# KiCad board SmallDSPMaxi.kicad_pcb (continued)
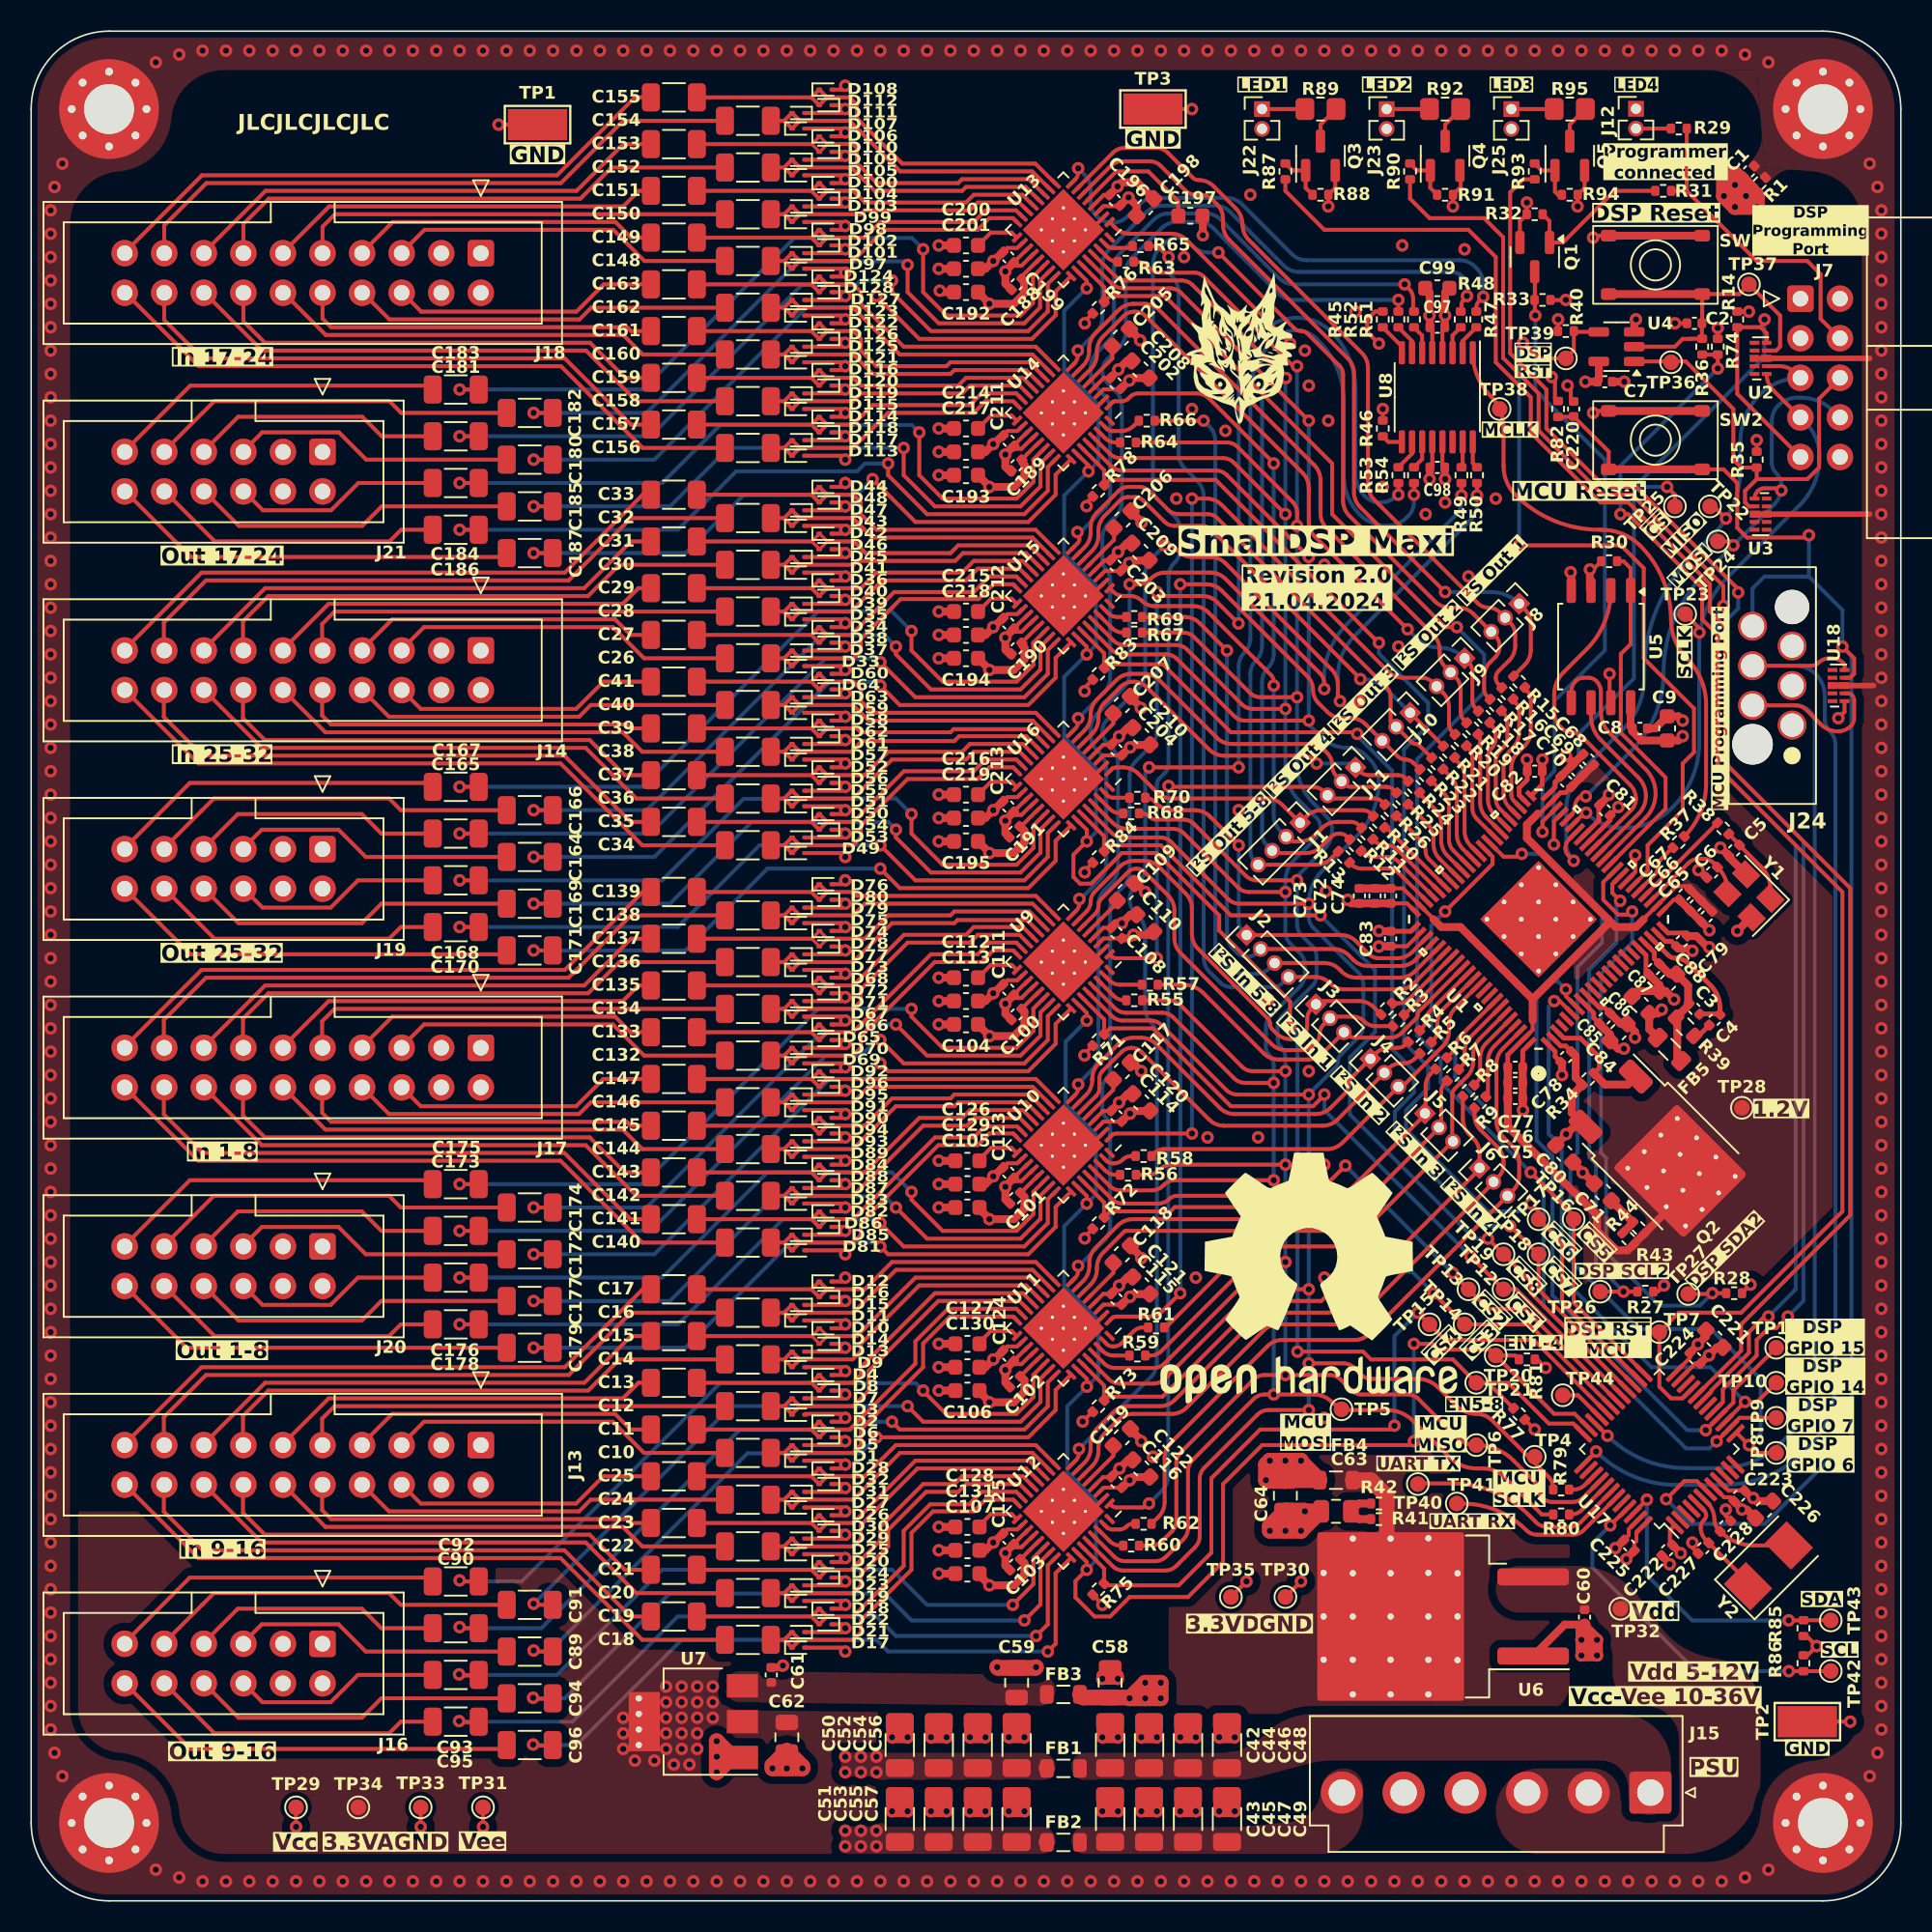
[diagram p0: board, top side]
## Routing (per net, layer and track width the routed paths; a pad name or vN(x,y) marks a point on that pad's centre or on a via; arc(x,y) is an arc through that point) (continued)
/Codecs 1-4/Out L4: length 45.4
  Top w0.25: 63.74,42 56,42 v1(54.5,43.5) ; C178.2 v1(27.5,37) ; 63.75,42 65.25,43.5 65.25,45.03 65.75,45.54
  Bottom w0.25: v1(27.5,37) 41.5,37 48.25,43.75 54.25,43.75 v1(54.5,43.5)
/Codecs 1-4/Out L5: length 47.1
  Top w0.25: C92.2 27.57,20.5 v1(27.5,20.57) ; U11.22 64.32,33.76 64.32,32.33 63.25,31.25 ; 63.24,31.25 58.72,31.25 57.25,32.72 v1(57.25,32.75)
  Bottom w0.25: 27.5,20.5 31.5,20.5 44.22,33.22 56.78,33.22 v1(57.25,32.75)
/Codecs 1-4/Out L6: length 47.6
  Top w0.25: v1(27.5,17.57) 27.57,17.5 C90.2 ; v1(55.25,30.75) 55.75,30.25 63.74,30.25 ; 63.75,30.25 65.25,31.75 65.25,33.28 65.75,33.79
  Bottom w0.25: v1(55.25,30.75) 53.12,30.75 52.6,30.22 45.47,30.22 32.75,17.5 27.5,17.5
/Codecs 1-4/Out L7: length 45.1
  Top w0.25: U12.22 64.32,22.01 64.32,20.32 v1(63,19) ; 28.69,14.47 27.53,14.47 v1(27.47,14.53)
  Bottom w0.25: 27.5,14.5 33.75,14.5 40.5,21.25 55.25,21.25 57.5,19 v1(63,19)
/Codecs 1-4/Out L8: length 47.1
  Top w0.25: v1(27.47,11.53) 27.53,11.47 28.69,11.47 ; v1(64.5,17) 65.25,17.75 65.25,21.53 65.75,22.04
  Bottom w0.25: 27.5,11.5 34.75,11.5 41.5,18.25 54.25,18.25 55.5,17 v1(64.5,17)
/Codecs 1-4/Out R1: length 42.3
  Top w0.25: C174.2 v1(32.25,44.5) ; v1(55.5,56.25) 57.5,54.25 63.5,54.25 64.78,55.52 64.78,57.01 65.4,57.64
  Bottom w0.25: v1(55.5,56.25) 53.26,56.25 52.76,55.75 50.75,55.75 39.5,44.5 v1(32.25,44.5)
/Codecs 1-4/Out R2: length 43.4
  Top w0.25: 66.75,57.28 65.75,56.28 65.75,55 64,53.25 ; 63.99,53.25 55,53.25 v1(54.5,53.75) ; C172.2 v1(32.25,41.5) ; 66.73,57.27 66.74,57.26
  Bottom w0.25: v1(32.25,41.5) 40,41.5 51.22,52.72 53.47,52.72 v1(54.5,53.75)
/Codecs 1-4/Out R3: length 40.6
  Top w0.25: v1(55.5,44.5) 57.5,42.5 63.5,42.5 64.77,43.77 64.78,45.26 65.4,45.89 ; C177.2 v1(32.25,38.5)
  Bottom w0.25: v1(32.25,38.5) 41,38.5 47.72,45.22 54.78,45.22 v1(55.5,44.5)
/Codecs 1-4/Out R4: length 41.2
  Top w0.25: 66.73,45.52 66.74,45.51 ; 64,41.5 65.75,43.25 65.75,44.53 66.75,45.53 ; C179.2 v1(32.25,35.5) ; 63.99,41.5 55,41.5 v1(54.5,42)
  Bottom w0.25: v1(54.5,42) 54.25,42.25 48.75,42.25 42,35.5 v1(32.25,35.5)
/Codecs 1-4/Out R5: length 42.3
  Top w0.25: C91.2 32.32,19 v1(32.25,19.07) ; 65.4,34.14 64.77,33.51 64.78,32.02 63.5,30.75 57.25,30.75 v1(56.25,31.75)
  Bottom w0.25: v1(56.25,31.75) 44.93,31.75 v1(32.25,19.07)
/Codecs 1-4/Out R6: length 43.9
  Top w0.25: 66.75,33.78 65.75,32.78 65.75,31.5 64,29.75 ; 66.73,33.77 66.74,33.76 ; C89.2 32.32,16 v1(32.25,16.07) ; v1(54.25,29.75) 63.99,29.75
  Bottom w0.25: v1(54.25,29.75) 53.22,28.72 45.97,28.72 33.25,16 32.25,16
/Codecs 1-4/Out R7: length 41.3
  Top w0.25: 33.44,12.97 32.28,12.97 v1(32.22,13.03) ; v1(63.75,18) 64.78,19.03 64.78,21.76 65.4,22.39
  Bottom w0.25: 32.25,13 34.25,13 40.97,19.72 54.78,19.72 56.5,18 v1(63.75,18)
/Codecs 1-4/Out R8: length 44
  Top w0.25: 33.44,9.97 32.28,9.97 v1(32.22,10.03) ; v1(65.25,16) 65.75,16.5 65.75,21.03 66.75,22.03 ; 66.73,22.02 66.74,22.01
  Bottom w0.25: 32.25,10 35,10 41.75,16.75 54.25,16.75 55,16 v1(65.25,16)
/Codecs 5-8/Analog Inputs1/In L1+: length 22.2
  Top w0.25: C148.1 39.36,105.25 37.36,107.25 25.24,107.25 23.78,105.79
/Codecs 5-8/Analog Inputs1/In L1-: length 19.8
  Top w0.25: 21.24,105.79 23.2,107.75 37.5,107.75 38.5,106.75 C149.1
/Codecs 5-8/Analog Inputs1/In L2+: length 34.2
  Top w0.25: 13.62,105.79 13.62,107.62 15.25,109.25 35.25,109.25 37.25,111.25 C152.1
/Codecs 5-8/Analog Inputs1/In L2-: length 31.6
  Top w0.25: C153.1 38,112.75 35,109.75 15.04,109.75 11.08,105.79
/Codecs 5-8/Analog Inputs1/In L3+: length 42.7
  Top w0.25: C156.1 39.25,93.25 34,98.5 10.75,98.5 6,103.25
/Codecs 5-8/Analog Inputs1/In L3-: length 35.8
  Top w0.25: C157.1 38.5,94.75 34.25,99 11,99 8.54,101.46 8.54,103.25
/Codecs 5-8/Analog Inputs1/In L4+: length 30
  Top w0.25: 16.16,103.25 18.91,100.5 38,100.5 39.25,99.25 C160.1
/Codecs 5-8/Analog Inputs1/In L4-: length 23.1
  Top w0.25: C161.1 38.5,100.75 38.25,101 19.25,101 18.7,101.55 18.7,103.25
/Codecs 5-8/Analog Inputs1/In R1+: length 27.8
  Top w0.25: 18.7,105.79 18.7,107.45 19.5,108.25 C150.1
/Codecs 5-8/Analog Inputs1/In R1-: length 25.3
  Top w0.25: 16.16,105.79 19.12,108.75 38,108.75 39,109.75 C151.1
/Codecs 5-8/Analog Inputs1/In R2+: length 40.5
  Top w0.25: C154.1 38,114.25 34,110.25 11.25,110.25 8.54,107.54 8.54,105.79
/Codecs 5-8/Analog Inputs1/In R2-: length 37.9
  Top w0.25: C155.1 38.75,115.75 33.75,110.75 10.96,110.75 6,105.79
/Codecs 5-8/Analog Inputs1/In R3+: length 36.3
  Top w0.25: 11.08,103.25 14.83,99.5 35.61,99.5 38.86,96.25 C158.1
/Codecs 5-8/Analog Inputs1/In R3-: length 29.5
  Top w0.25: 13.62,103.25 13.62,101.38 15,100 35.88,100 38.12,97.75 C159.1
/Codecs 5-8/Analog Inputs1/In R4+: length 24.3
  Top w0.25: C162.1 35.94,102.25 35.19,101.5 22.99,101.5 21.24,103.25
/Codecs 5-8/Analog Inputs1/In R4-: length 17.2
  Top w0.25: C163.1 36.75,103.75 35,102 25.03,102 23.78,103.25
/Codecs 5-8/Analog Inputs2/In L1+: length 22.2
  Top w0.25: 23.76,80.29 25.22,81.75 37.34,81.75 39.34,79.75 44.5,79.75
/Codecs 5-8/Analog Inputs2/In L1-: length 19.8
  Top w0.25: 39.75,81.25 38.47,81.25 37.47,82.25 23.17,82.25 21.22,80.29
/Codecs 5-8/Analog Inputs2/In L2+: length 34.2
  Top w0.25: 44.5,85.75 37.75,85.75 35.75,83.75 15.22,83.75 13.59,82.12 13.59,80.29
/Codecs 5-8/Analog Inputs2/In L2-: length 31.6
  Top w0.25: 39.75,87.25 38.5,87.25 35.5,84.25 15.01,84.25 11.05,80.29
/Codecs 5-8/Analog Inputs2/In L3+: length 42.7
  Top w0.25: 44.5,67.75 39.22,67.75 33.97,73 10.72,73 5.97,77.75
/Codecs 5-8/Analog Inputs2/In L3-: length 35.8
  Top w0.25: 39.75,69.25 38.47,69.25 34.22,73.5 11,73.5 8.52,75.98 8.52,77.75
/Codecs 5-8/Analog Inputs2/In L4+: length 30
  Top w0.25: 44.5,73.75 39.22,73.75 37.97,75 18.89,75 16.14,77.75
/Codecs 5-8/Analog Inputs2/In L4-: length 23.1
  Top w0.25: 18.67,77.75 18.67,76.08 19.25,75.5 38.22,75.5 38.47,75.25 39.75,75.25
/Codecs 5-8/Analog Inputs2/In R1+: length 27.8
  Top w0.25: 18.67,80.29 18.67,81.95 19.47,82.75 C28.1
/Codecs 5-8/Analog Inputs2/In R1-: length 25.3
  Top w0.25: 39.75,84.25 38.97,84.25 37.97,83.25 19.09,83.25 16.14,80.29
/Codecs 5-8/Analog Inputs2/In R2+: length 40.5
  Top w0.25: 8.52,80.29 8.52,82.04 11.22,84.75 34.5,84.75 38.5,88.75 44.5,88.75
/Codecs 5-8/Analog Inputs2/In R2-: length 37.9
  Top w0.25: 5.97,80.29 10.94,85.25 34.25,85.25 39.25,90.25 39.75,90.25
/Codecs 5-8/Analog Inputs2/In R3+: length 36.3
  Top w0.25: 11.06,77.75 14.81,74 35.59,74 38.84,70.75 44.5,70.75
/Codecs 5-8/Analog Inputs2/In R3-: length 29.5
  Top w0.25: 39.75,72.25 38.1,72.25 35.85,74.5 15,74.5 13.59,75.91 13.59,77.75
/Codecs 5-8/Analog Inputs2/In R4+: length 24.3
  Top w0.25: 44.5,76.75 35.92,76.75 35.17,76 22.97,76 21.22,77.75
/Codecs 5-8/Analog Inputs2/In R4-: length 17.2
  Top w0.25: 39.75,78.25 36.72,78.25 34.97,76.5 25,76.5 23.75,77.75
/Codecs 5-8/Analog Outputs1/Out L1: length 21.3
  Top w0.25: 25.53,97.25 10.21,97.25 6,93.04
/Codecs 5-8/Analog Outputs1/Out L2: length 16.1
  Top w0.25: 11.08,93.04 13.29,95.25 21.25,95.25 22.5,94 C181.1
/Codecs 5-8/Analog Outputs1/Out L3: length 13.4
  Top w0.25: 13.62,90.5 14.87,89.25 19.25,89.25 21,91 C184.1
/Codecs 5-8/Analog Outputs1/Out L4: length 18.9
  Top w0.25: C186.1 23.75,88 23,87.25 11.79,87.25 8.54,90.5
/Codecs 5-8/Analog Outputs1/Out R1: length 23.6
  Top w0.25: C182.1 23.75,95.5 23,96.25 11.75,96.25 11,95.5 11,95.5 8.54,93.04
/Codecs 5-8/Analog Outputs1/Out R2: length 18.1
  Top w0.25: C180.1 21.5,92.5 19.75,94.25 14.83,94.25 13.62,93.04
/Codecs 5-8/Analog Outputs1/Out R3: length 20.9
  Top w0.25: 11.08,90.5 13.33,88.25 21.25,88.25 22.5,89.5 C185.1
/Codecs 5-8/Analog Outputs1/Out R4: length 26
  Top w0.25: 6,90.5 10.25,86.25 30.28,86.25
/Codecs 5-8/Analog Outputs2/Out L1: length 21.3
  Top w0.25: 25.5,71.75 10.18,71.75 5.97,67.54
/Codecs 5-8/Analog Outputs2/Out L2: length 16.1
  Top w0.25: 25.75,68.5 22.47,68.5 21.22,69.75 13.26,69.75 11.06,67.54
/Codecs 5-8/Analog Outputs2/Out L3: length 13.4
  Top w0.25: 25.75,65.5 20.97,65.5 19.22,63.75 14.85,63.75 13.59,65
/Codecs 5-8/Analog Outputs2/Out L4: length 18.9
  Top w0.25: 25.75,62.5 23.72,62.5 22.97,61.75 11.77,61.75 8.52,65
/Codecs 5-8/Analog Outputs2/Out R1: length 23.6
  Top w0.25: 8.52,67.54 10.97,70 10.97,70 11.72,70.75 22.97,70.75 23.72,70 30.5,70
/Codecs 5-8/Analog Outputs2/Out R2: length 18.1
  Top w0.25: 30.5,67 21.47,67 19.72,68.75 14.8,68.75 13.6,67.54
/Codecs 5-8/Analog Outputs2/Out R3: length 20.9
  Top w0.25: 30.5,64 22.47,64 21.22,62.75 13.31,62.75 11.06,65
/Codecs 5-8/Analog Outputs2/Out R4: length 26
  Top w0.25: 30.25,60.75 10.23,60.75 5.97,65
/Codecs 5-8/In L1+: length 18.9
  Top w0.25: 63.26,107.74 63,108 61.5,108 60.75,107.25 54.75,107.25 52.75,105.25 49.33,105.25 ; 49.33,105.25 D101.2 48.33,105.25 ; 49.33,105.25 D97.1 48.33,105.25 ; 48.33,105.25 C148.2
/Codecs 5-8/In L1-: length 23.6
  Top w0.25: 51.08,106.75 53.5,106.75 54.5,107.75 60.5,107.75 61.25,108.5 63.21,108.5 63.62,108.09 ; 51.08,106.75 D102.2 50.08,106.75 ; 51.08,106.75 D98.1 50.08,106.75 ; 50.08,106.75 C149.2
/Codecs 5-8/In L2+: length 20.1
  Top w0.25: 48.33,111.25 D109.2 49.33,111.25 ; 48.33,111.25 D105.1 49.33,111.25 ; 48.33,111.25 C152.2 ; 49.33,111.25 52.64,111.25 54.14,109.75 59.75,109.75 60,110 63.83,110 64.68,109.15
/Codecs 5-8/In L2-: length 26.3
  Top w0.2: 50.11,112.75 50.61,113.25 51.11,112.75 50.61,112.25 50.11,112.75
  Top w0.25: 65.03,109.51 64.04,110.5 59.75,110.5 59.5,110.25 54.27,110.25 53,111.52 53,112.5 52.75,112.75 51.11,112.75 ; 50.11,112.75 C153.2
/Codecs 5-8/In L3+: length 19
  Top w0.25: 48.33,93.25 D113.1 49.33,93.25 ; 48.33,93.25 C156.2 ; 48.33,93.25 D117.2 49.33,93.25 ; 49.33,93.25 52.75,93.25 55,95.5 60.5,95.5 61.25,96.25 63.03,96.25 U14.16
/Codecs 5-8/In L3-: length 23.7
  Top w0.25: 51.08,94.75 D118.2 50.08,94.75 ; 51.08,94.75 D114.1 50.08,94.75 ; 51.08,94.75 52.75,94.75 54,96 60.25,96 61,96.75 63.23,96.75 U14.15 ; 50.08,94.75 42.72,94.75
/Codecs 5-8/In L4+: length 20
  Top w0.25: 48.33,99.25 D121.1 49.33,99.25 ; 48.33,99.25 C160.2 ; 48.33,99.25 D125.2 49.33,99.25 ; U14.12 63.85,98.25 59.25,98.25 59,98 54.01,98 52.76,99.25 49.33,99.25
/Codecs 5-8/In L4-: length 26
  Top w0.25: 51.08,100.75 D122.1 50.08,100.75 ; 51.08,100.75 52.76,100.75 53.25,100.26 53.25,99.5 54.25,98.5 58.75,98.5 59,98.75 64.06,98.75 U14.11 ; 51.08,100.75 D126.2 50.08,100.75 ; 50.08,100.75 42.72,100.75
/Codecs 5-8/In L5+: length 20.2
  Top w0.25: 48.33,79.75 C26.2 ; 48.33,79.75 D33.1 49.33,79.75 ; 48.33,79.75 D37.2 49.33,79.75 ; 49.33,79.75 52.76,79.75 53.25,80.24 53.25,81 55.8,83.55 60.8,83.55 61.75,84.5 63.02,84.5 63.28,84.24
/Codecs 5-8/In L5-: length 24.5
  Top w0.25: 51.08,81.25 52.64,81.25 55.39,84 60.5,84 61.5,85 63.23,85 63.63,84.59 ; 51.08,81.25 D34.1 50.08,81.25 ; 51.08,81.25 D38.2 50.08,81.25 ; 50.08,81.25 42.72,81.25
/Codecs 5-8/In L6+: length 19.7
  Top w0.25: 49.33,85.75 D45.2 48.33,85.75 ; 49.33,85.75 52.78,85.75 53.03,86 59.31,86 59.81,86.5 63.85,86.5 64.69,85.65 ; 49.33,85.75 D41.1 48.33,85.75 ; 48.33,85.75 C30.2
/Codecs 5-8/In L6-: length 25.1
  Top w0.2: 50.61,86.75 51.11,87.25 50.61,87.75 50.11,87.25 50.61,86.75
  Top w0.25: 51.11,87.25 52.81,87.25 53.56,86.5 59,86.5 59.5,87 64.06,87 65.05,86.01 ; 50.11,87.25 42.72,87.25
/Codecs 5-8/In L7+: length 20.2
  Top w0.25: 49.33,67.75 D49.1 48.33,67.75 ; 49.33,67.75 D53.2 48.33,67.75 ; 49.33,67.75 52.75,67.75 53.25,68.25 53.25,69 56.25,72 60.75,72 61.5,72.75 63.03,72.75 63.28,72.5 ; 48.33,67.75 C34.2
/Codecs 5-8/In L7-: length 24.6
  Top w0.25: 51.08,69.25 52.76,69.25 56.01,72.5 60.5,72.5 61.25,73.25 63.24,73.25 63.63,72.85 ; 51.08,69.25 D54.2 50.08,69.25 ; 51.08,69.25 D50.1 50.08,69.25 ; 50.08,69.25 42.72,69.25
/Codecs 5-8/In L8+: length 19.8
  Top w0.25: 48.33,73.75 C38.2 ; 48.33,73.75 D57.1 49.33,73.75 ; 48.33,73.75 D61.2 49.33,73.75 ; 64.69,73.91 63.86,74.75 59.56,74.75 59.25,74.44 53.31,74.44 52.62,73.75 49.33,73.75
/Codecs 5-8/In L8-: length 24.7
  Top w0.25: 50.08,75.25 42.72,75.25 ; 50.08,75.25 D58.1 51.08,75.25 ; 50.08,75.25 D62.2 51.08,75.25 ; 51.08,75.25 53,75.25 53.25,75 59,75 59.2,75.2 64.12,75.2 65.05,74.27
/Codecs 5-8/In R1+: length 18.9
  Top w0.25: 48.33,108.25 D103.2 49.33,108.25 ; 48.33,108.25 D99.1 49.33,108.25 ; 48.33,108.25 C150.2 ; 49.33,108.25 53.25,108.25 53.5,108.5 60.25,108.5 60.75,109 63.41,109 63.97,108.44
/Codecs 5-8/In R1-: length 24.2
  Top w0.25: 51.08,109.75 52.76,109.75 53.51,109 60,109 60.5,109.5 63.62,109.5 64.32,108.8 ; 51.08,109.75 D104.2 50.08,109.75 ; 51.08,109.75 D100.1 50.08,109.75 ; 50.08,109.75 C151.2
/Codecs 5-8/In R2+: length 21.6
  Top w0.25: 48.33,114.25 D111.2 49.33,114.25 ; 48.33,114.25 D107.1 49.33,114.25 ; 48.33,114.25 C154.2 ; 49.33,114.25 52.53,114.25 55.78,111 64.24,111 65.38,109.86
/Codecs 5-8/In R2-: length 27.6
  Top w0.25: 50.11,115.75 50.11,115.72 D112.2 51.08,115.75 ; 50.11,115.75 50.11,115.78 D108.1 51.08,115.75 ; 50.11,115.75 C155.2 ; 65.74,110.21 64.45,111.5 55.91,111.5 53,114.41 53,115.28 52.53,115.75 51.08,115.75
/Codecs 5-8/In R3+: length 19
  Top w0.25: 48.33,96.25 D119.2 49.33,96.25 ; 48.33,96.25 C158.2 ; 48.33,96.25 D115.1 49.33,96.25 ; 49.33,96.25 52.75,96.25 53.25,96.75 59.75,96.75 60.25,97.25 63.44,97.25 U14.14
/Codecs 5-8/In R3-: length 24.1
  Top w0.25: 51.08,97.75 D116.1 50.08,97.75 ; 51.08,97.75 52.75,97.75 53.25,97.25 59.5,97.25 60,97.75 63.65,97.75 U14.13 ; 51.08,97.75 D120.2 50.08,97.75 ; 50.08,97.75 42.72,97.75
/Codecs 5-8/In R4+: length 21.5
  Top w0.25: 48.33,102.25 D123.1 49.33,102.25 ; 48.33,102.25 C162.2 ; 48.33,102.25 D127.2 49.33,102.25 ; 49.33,102.25 52.75,102.25 55.75,99.25 64.27,99.25 U14.10
/Codecs 5-8/In R4-: length 27.5
  Top w0.25: 51.08,103.75 D124.1 50.08,103.75 ; 51.08,103.75 52.76,103.75 53.25,103.26 53.25,102.5 56,99.75 64.47,99.75 U14.9 ; 51.08,103.75 D128.2 50.08,103.75 ; 50.08,103.75 42.72,103.75
/Codecs 5-8/In R5+: length 19.7
  Top w0.25: 63.99,84.95 63.43,85.5 60.75,85.5 60,84.75 54.62,84.75 52.62,82.75 49.33,82.75 ; 49.33,82.75 D39.2 48.33,82.75 ; 49.33,82.75 D35.1 48.33,82.75 ; 48.33,82.75 C28.2
/Codecs 5-8/In R5-: length 24.5
  Top w0.25: 50.08,84.25 D36.1 51.08,84.25 ; 50.08,84.25 42.72,84.25 ; 50.08,84.25 D40.2 51.08,84.25 ; 64.34,85.3 63.64,86 60.5,86 59.75,85.25 54.25,85.25 53.25,84.25 51.08,84.25
/Codecs 5-8/In R6+: length 20.7
  Top w0.25: 48.33,88.75 D47.2 49.33,88.75 ; 48.33,88.75 C32.2 ; 48.33,88.75 D43.1 49.33,88.75 ; 65.4,86.36 64.26,87.5 54,87.5 52.75,88.75 49.33,88.75
/Codecs 5-8/In R6-: length 26.8
  Top w0.25: 65.75,86.71 64.47,88 54.25,88 53.25,89 53.25,89.75 52.75,90.25 51.08,90.25 ; 51.08,90.25 D44.1 50.11,90.28 50.11,90.25 ; 51.08,90.25 D48.2 50.11,90.22 50.11,90.25 ; 50.11,90.25 42.72,90.25
/Codecs 5-8/In R7+: length 19.8
  Top w0.25: 48.33,70.75 D55.2 49.33,70.75 ; 48.33,70.75 C36.2 ; 48.33,70.75 D51.1 49.33,70.75 ; 49.33,70.75 52.75,70.75 55.25,73.25 60,73.25 60.5,73.75 63.44,73.75 63.99,73.21
/Codecs 5-8/In R7-: length 24.6
  Top w0.25: 51.08,72.25 D56.2 50.08,72.25 ; 51.08,72.25 D52.1 50.08,72.25 ; 51.08,72.25 53.5,72.25 55,73.75 59.75,73.75 60.25,74.25 63.65,74.25 64.34,73.56 ; 50.08,72.25 C37.2
/Codecs 5-8/In R8+: length 20.6
  Top w0.25: 48.33,76.75 D59.1 49.33,76.75 ; 48.33,76.75 C40.2 ; 48.33,76.75 D63.2 49.33,76.75 ; 49.33,76.75 52.75,76.75 53.75,75.75 64.27,75.75 65.4,74.62
/Codecs 5-8/In R8-: length 26.7
  Top w0.25: 50.08,78.25 D64.2 51.08,78.25 ; 50.08,78.25 42.72,78.25 ; 50.08,78.25 D60.1 51.08,78.25 ; 51.08,78.25 52.76,78.25 53.25,77.76 53.25,77 54,76.25 64.48,76.25 65.75,74.97
/Codecs 5-8/Out L1: length 48.8
  Top w0.25: U13.22 64.29,104.23 64.29,102.56 63.49,101.75 58.75,101.75 57.25,103.25 v1(57.25,106) ; C183.2 v1(27.5,97)
  Bottom w0.25: v1(57.25,106) 56.53,106.72 48.97,106.72 39.25,97 v1(27.5,97)
/Codecs 5-8/Out L2: length 47.9
  Top w0.25: C181.2 v1(27.5,94) ; v1(55.25,104) 55.25,103.25 57.75,100.75 63.99,100.75 65.25,102.01 65.25,103.79 65.74,104.27
  Bottom w0.25: v1(55.25,104) 53.25,104 52.97,103.72 49.47,103.72 39.75,94 v1(27.5,94)
/Codecs 5-8/Out L3: length 46.1
  Top w0.25: C184.2 v1(27.5,91) ; 63.25,90 64.32,91.08 64.32,92.42 64.32,92.42 64.32,92.51 U14.22 ; 63.24,90 58.5,90 57,91.5 v1(57,94.25)
  Bottom w0.25: v1(57,94.25) 56.53,94.72 44.22,94.72 40.5,91 v1(27.5,91)
/Codecs 5-8/Out L4: length 45.4
  Top w0.25: C186.2 v1(27.5,88) ; U14.24 65.25,92.03 65.25,90.5 63.75,89 ; v1(55,92.25) 55,91.5 57.5,89 63.74,89
  Bottom w0.25: v1(27.5,88) 41.5,88 45.25,91.75 53.01,91.75 53.51,92.25 v1(55,92.25)
/Codecs 5-8/Out L5: length 48.2
  Top w0.25: C167.2 v1(27.5,71.5) ; v1(56.5,81.5) 56.5,80.25 58.5,78.25 63.24,78.25 ; 65.05,81.48 64.32,80.75 64.32,80.67 64.32,80.67 64.32,79.33 63.25,78.25
  Bottom w0.25: v1(56.5,81.5) 55.22,82.78 50.53,82.78 39.25,71.5 v1(27.5,71.5)
/Codecs 5-8/Out L6: length 47.5
  Top w0.25: 63.75,77.25 65.25,78.75 65.25,80.27 65.75,80.78 ; v1(54.5,79.5) 56.75,77.25 63.74,77.25 ; C165.2 v1(27.5,68.5)
  Bottom w0.25: v1(54.5,79.5) 54.28,79.72 50.97,79.72 39.75,68.5 v1(27.5,68.5)
/Codecs 5-8/Out L7: length 45.6
  Top w0.25: v1(56.5,69.75) 56.5,68.5 58.5,66.5 63.24,66.5 ; U16.22 64.32,69.01 64.32,67.58 63.25,66.5 ; C168.2 v1(27.5,65.5)
  Bottom w0.25: v1(27.5,65.5) 40.5,65.5 45.72,70.72 52.97,70.72 53,70.75 55.5,70.75 v1(56.5,69.75)
/Codecs 5-8/Out L8: length 44.9
  Top w0.25: 63.74,65.5 56.75,65.5 v1(54.5,67.75) ; 63.75,65.5 65.25,67 65.25,68.53 65.75,69.04 ; C170.2 v1(27.5,62.5)
  Bottom w0.25: v1(27.5,62.5) 41.5,62.5 46.75,67.75 v1(54.5,67.75)
/Codecs 5-8/Out R1: length 43.5
  Top w0.25: v1(56.25,105) 56.25,103.25 58.25,101.25 63.75,101.25 ; 65.38,104.63 64.75,103.99 64.75,102.26 63.74,101.25 ; C182.2 v1(32.25,95.5)
  Bottom w0.25: v1(56.25,105) 56.03,105.22 49.22,105.22 39.5,95.5 v1(32.25,95.5)
/Codecs 5-8/Out R2: length 43.8
  Top w0.25: C180.2 v1(32.25,92.5) ; 66.73,104.27 65.75,103.29 65.75,101.76 64.24,100.25 57,100.25 v1(54.25,103)
  Bottom w0.25: v1(54.25,103) 53.53,102.28 49.78,102.28 40,92.5 v1(32.25,92.5)
/Codecs 5-8/Out R3: length 40.8
  Top w0.25: v1(56,93.25) 56,91.5 58,89.5 63.5,89.5 64.78,90.78 64.78,92.26 U14.23 ; C185.2 v1(32.25,89.5)
  Bottom w0.25: v1(32.25,89.5) 41,89.5 44.75,93.25 v1(56,93.25)
/Codecs 5-8/Out R4: length 41.2
  Top w0.25: 63.99,88.5 56.75,88.5 v1(54,91.25) ; 64,88.5 65.75,90.25 65.75,91.54 U14.25 ; C187.2 v1(32.25,86.5)
  Bottom w0.25: v1(32.25,86.5) 42,86.5 45.72,90.22 52.97,90.22 v1(54,91.25)
/Codecs 5-8/Out R5: length 43
  Top w0.25: 65.4,81.13 64.78,80.5 64.78,79.03 63.5,77.75 57.75,77.75 55.5,80 v1(55.5,80.5) ; C166.2 v1(32.25,70)
  Bottom w0.25: v1(32.25,70) 39.5,70 50.72,81.22 54.78,81.22 v1(55.5,80.5)
/Codecs 5-8/Out R6: length 43.4
  Top w0.25: 64,76.75 65.75,78.5 65.75,79.77 66.75,80.77 ; 63.99,76.75 55.75,76.75 v1(54.5,78) ; 66.73,80.77 66.74,80.76 ; C164.2 v1(32.25,67)
  Bottom w0.25: v1(54.5,78) 54.28,78.22 51.22,78.22 40,67 v1(32.25,67)
/Codecs 5-8/Out R7: length 40.4
  Top w0.25: v1(55.5,68.75) 55.5,68.25 57.75,66 63.5,66 64.77,67.27 64.77,68.76 65.4,69.39 ; C169.2 v1(32.25,64)
  Bottom w0.25: v1(32.25,64) 41,64 46.22,69.22 55.03,69.22 v1(55.5,68.75)
/Codecs 5-8/Out R8: length 40.8
  Top w0.25: C171.2 v1(32.25,61) ; 63.99,65 55.75,65 v1(54.5,66.25) ; 64,65 65.75,66.75 65.75,68.03 66.75,69.03 ; 66.73,69.02 66.74,69.01
  Bottom w0.25: v1(32.25,61) 42,61 47.25,66.25 v1(54.5,66.25)
/DSP BCLK In 1: length 29.4
  Top w0.25: 82.66,57.75 85.22,57.75 arc(85.74,57.65) 86.18,57.35 R2.1 ; U9.7 67.74,63.51 arc(67.93,63.8) 68,64.14 arc(68.07,64.48) 68.26,64.77 69.84,66.35 arc(70.28,66.65) 70.8,66.75 71.44,66.75 arc(71.96,66.65) 72.4,66.35 74.1,64.65 arc(74.4,64.21) 74.5,63.69 74.5,62.06 arc(74.6,61.54) 74.9,61.1 79.37,56.63 arc(79.48,56.47) 79.51,56.29 arc(79.55,56.1) 79.65,55.95 79.91,55.69 arc(80.34,55.4) 80.85,55.3 81.05,55.3 arc(81.37,55.36) 81.65,55.55 arc(81.84,55.83) 81.9,56.15 81.9,56.59 arc(81.97,56.96) 82.18,57.27 J3.1
/DSP BCLK In 2: length 27.6
  Top w0.25: R4.1 88.19,54.94 arc(87.98,54.8) 87.72,54.75 87.16,54.75 arc(86.7,54.66) 86.31,54.4 84.73,52.83 arc(84.58,52.6) 84.53,52.32 arc(84.47,52.05) 84.32,51.82 83.4,50.9 arc(82.96,50.6) 82.44,50.5 77.25,50.5 arc(76.72,50.6) 76.28,50.9 72.18,55 arc(71.74,55.3) 71.22,55.4 70.75,55.4 arc(70.22,55.3) 69.78,55 68.5,53.72 arc(68.2,53.28) 68.1,52.75 68.1,52.68 arc(68,52.16) 67.7,51.72 U10.7
/DSP BCLK In 3: length 30.5
  Top w0.25: U11.7 67.52,39.79 arc(67.82,40.23) 67.92,40.75 67.92,40.96 arc(68.02,41.48) 68.32,41.92 69.75,43.35 arc(70.19,43.65) 70.71,43.75 82.19,43.75 arc(82.71,43.85) 83.15,44.15 89.46,50.46 ; R6.1 89.82,53.07 arc(89.58,52.72) 89.5,52.3 89.5,50.59
/DSP BCLK In 4: length 39.3
  Top w0.25: J6.1 92.96,47.98 arc(92.85,48.5) 92.56,48.94 92.29,49.21 arc(91.99,49.65) 91.89,50.17 R8.1 ; U12.7 67.6,28.12 arc(67.9,28.56) 68,29.08 68,29.34 arc(68.1,29.86) 68.4,30.3 69.45,31.35 arc(69.89,31.65) 70.41,31.75 72.44,31.75 arc(72.96,31.85) 73.4,32.15 78.6,37.35 arc(79.04,37.65) 79.56,37.75 83.19,37.75 arc(83.71,37.85) 84.15,38.15 92.96,46.96
/DSP BCLK Out 1: length 51.6
  Top w0.25: U13.7 69.44,112.21 arc(69.76,112.42) 70.15,112.5 72.24,112.5 arc(72.62,112.42) 72.94,112.21 74.56,110.59 arc(74.72,110.48) 74.91,110.45 arc(75.45,110.34) 75.91,110.03 77.3,108.64 arc(77.63,108.15) 77.75,107.56 arc(77.85,107.04) 78.15,106.6 85.4,99.35 arc(85.7,98.91) 85.8,98.39 85.8,90.89 arc(85.9,90.37) 86.2,89.93 92.83,83.3 arc(93.16,83.08) 93.54,83 arc(93.93,82.92) 94.26,82.7 J8.2 94.93,82.03 arc(95.17,81.68) 95.25,81.26 95.25,80.56 arc(95.15,80.04) 94.85,79.6 94.18,78.93 arc(94.05,78.73) 94,78.5 arc(94.05,78.27) 94.18,78.07 R16.2
/DSP BCLK Out 2: length 42.2
  Top w0.25: U14.7 67.5,98.52 arc(67.8,98.96) 67.9,99.48 67.9,99.64 arc(68,100.16) 68.3,100.6 69.8,102.1 arc(70.24,102.4) 70.76,102.5 71.44,102.5 arc(71.96,102.4) 72.4,102.1 82.35,92.15 arc(82.65,91.71) 82.75,91.19 82.75,89.06 arc(82.85,88.54) 83.15,88.1 90,81.25 arc(90.3,80.81) 90.4,80.29 90.4,80.05 arc(90.49,79.59) 90.75,79.2 91.43,78.53 arc(91.67,78.17) 91.75,77.75 91.75,76.28 arc(91.8,76.02) 91.94,75.81 R19.2
/DSP BCLK Out 3: length 33.4
  Top w0.25: R22.2 89.1,74.15 arc(88.99,74.22) 88.86,74.25 arc(88.72,74.28) 88.61,74.35 J10.2 87.25,75.71 87.25,77.26 arc(87.19,77.6) 87,77.87 76.12,88.75 arc(75.85,88.94) 75.53,89 73.66,89 arc(73.28,89.08) 72.96,89.29 71.76,90.49 arc(71.47,90.68) 71.14,90.75 70.42,90.75 arc(70.08,90.68) 69.79,90.49 68.4,89.1 arc(68.1,88.66) 68,88.14 68,87.83 arc(67.9,87.31) 67.6,86.87 U15.7
/DSP BCLK Out 4: length 26.1
  Top w0.25: R25.2 87.44,71.31 arc(87.23,71.45) 86.97,71.5 84.7,71.5 arc(84.47,71.55) 84.28,71.68 83.8,72.15 arc(83.58,72.49) 83.5,72.88 83.5,72.9 arc(83.42,73.32) 83.18,73.67 83,73.85 arc(82.56,74.15) 82.04,74.25 77.06,74.25 arc(76.54,74.35) 76.1,74.65 72.4,78.35 arc(71.96,78.65) 71.44,78.75 70.61,78.75 arc(70.09,78.65) 69.65,78.35 68.4,77.1 arc(68.1,76.66) 68,76.14 68,76.08 arc(67.9,75.56) 67.6,75.12 U16.7
/DSP GPIO6: length 55.3
  Top w0.25: v1(95.67,67.2) 95.49,67.02 94.5,67.02 U1.53 ; TP8.1 110.75,28.75 v1(110.25,29.25) 109.5,30 U17.13
  Bottom w0.25: v1(110.25,29.25) 111,30 111,33.5 107.8,36.7 103.2,36.7 98.79,41.11 98.79,47.56 99.25,48.02 99.25,59.92 100.82,61.49 100.82,63.25 96.87,67.2 v1(95.67,67.2)
/DSP GPIO7: length 53.8
  Top w0.25: TP9.1 109.65,31 109.03,30.39 U17.14 v1(108.18,29.49) ; v1(90.75,63.5) 93.79,66.54 93.79,67.02 U1.54
  Bottom w0.25: v1(90.75,63.5) 89.86,62.61 89.86,56.03 91.4,54.49 91.4,52.87 97.07,47.2 97.07,38.18 106.21,29.04 107.72,29.04 v1(108.18,29.49)
/DSP GPIO14: length 39.2
  Top w0.25: U1.6 98.11,57.75 v1(97.75,57.75) ; TP10.1 110.78,32.03 v1(110,32.03) U17.15
  Bottom w0.25: v1(110,32.03) 107.78,34.25 104,34.25 98.23,40.02 98.23,48.4 97.4,49.23 97.4,57.4 v1(97.75,57.75)
/DSP GPIO15: length 44.1
  Top w0.25: U1.7 98.5,58.07 v1(98.5,58.5) ; TP11.1 109.25,32.75 109.25,31.98 U17.16 v1(107.48,30.21)
  Bottom w0.25: v1(107.48,30.21) 106.29,30.21 97.64,38.86 97.64,47.79 96.62,48.81 96.62,58.12 97.5,59 98,59 v1(98.5,58.5)
/DSP I²S SDI 1: length 24.2
  Top w0.25: U1.75 89.09,57.11 arc(89.02,57.01) 89,56.88 arc(88.98,56.76) 88.91,56.66 87.94,55.69 arc(87.62,55.48) 87.24,55.4 85.02,55.4 arc(84.64,55.48) 84.31,55.69 J3.3 ; R57.2 73.93,58.8 arc(74.64,58.66) 75.25,58.25 79.1,54.4 arc(79.54,54.1) 80.06,54 81.94,54 arc(82.46,54.1) 82.9,54.4 84.11,55.6 arc(84.25,55.66) 84.4,55.6
/DSP I²S SDI 2: length 26
  Top w0.25: J4.3 84.15,48.65 arc(83.71,48.35) 83.19,48.25 72.68,48.25 arc(72.38,48.19) 72.13,48.03 R58.2 ; 88,52.25 90.6,54.85 arc(90.9,55.29) 91,55.81 91,56.33 arc(91.1,56.85) 91.4,57.29 U1.78
/DSP I²S SDI 3: length 32.7
  Top w0.25: J5.3 84.91,42.4 arc(84.46,42.1) 83.94,42 78.59,42 arc(78.07,41.9) 77.63,41.6 72.83,36.8 ; 91.2,48.8 91.2,51.72 arc(91.25,51.94) 91.37,52.12 92.15,52.9 arc(92.45,53.34) 92.55,53.86 92.55,54.35 arc(92.65,54.87) 92.95,55.31 U1.83
/DSP I²S SDI 4: length 45.6
  Top w0.25: R62.2 72.35,24.64 arc(72.65,25.08) 72.75,25.6 72.75,28.44 arc(72.85,28.96) 73.15,29.4 79.35,35.6 arc(79.79,35.9) 80.31,36 84.94,36 arc(85.46,36.1) 85.91,36.4 95.13,45.62 arc(95.4,46.03) 95.5,46.52 95.5,47.44 arc(95.4,47.96) 95.1,48.4 94.45,49.05 arc(94.15,49.5) 94.05,50.02 94.05,53.72 arc(94.15,54.24) 94.45,54.68 U1.86